# Altium PCB Iris.PcbDoc (part 7 of 13)
Units mm, origin at the board's own origin, x right, y up, seen from the top; angles counter-clockwise.
Board outline 100 x 72 mm, 6 copper layers (Top Layer, PowerPlane1, MidLayer1, MidLayer2, PowerPlane2, Bottom Layer), stack 1.561 mm thick; 396 components, 379 nets, 1616 pads, 658 vias.
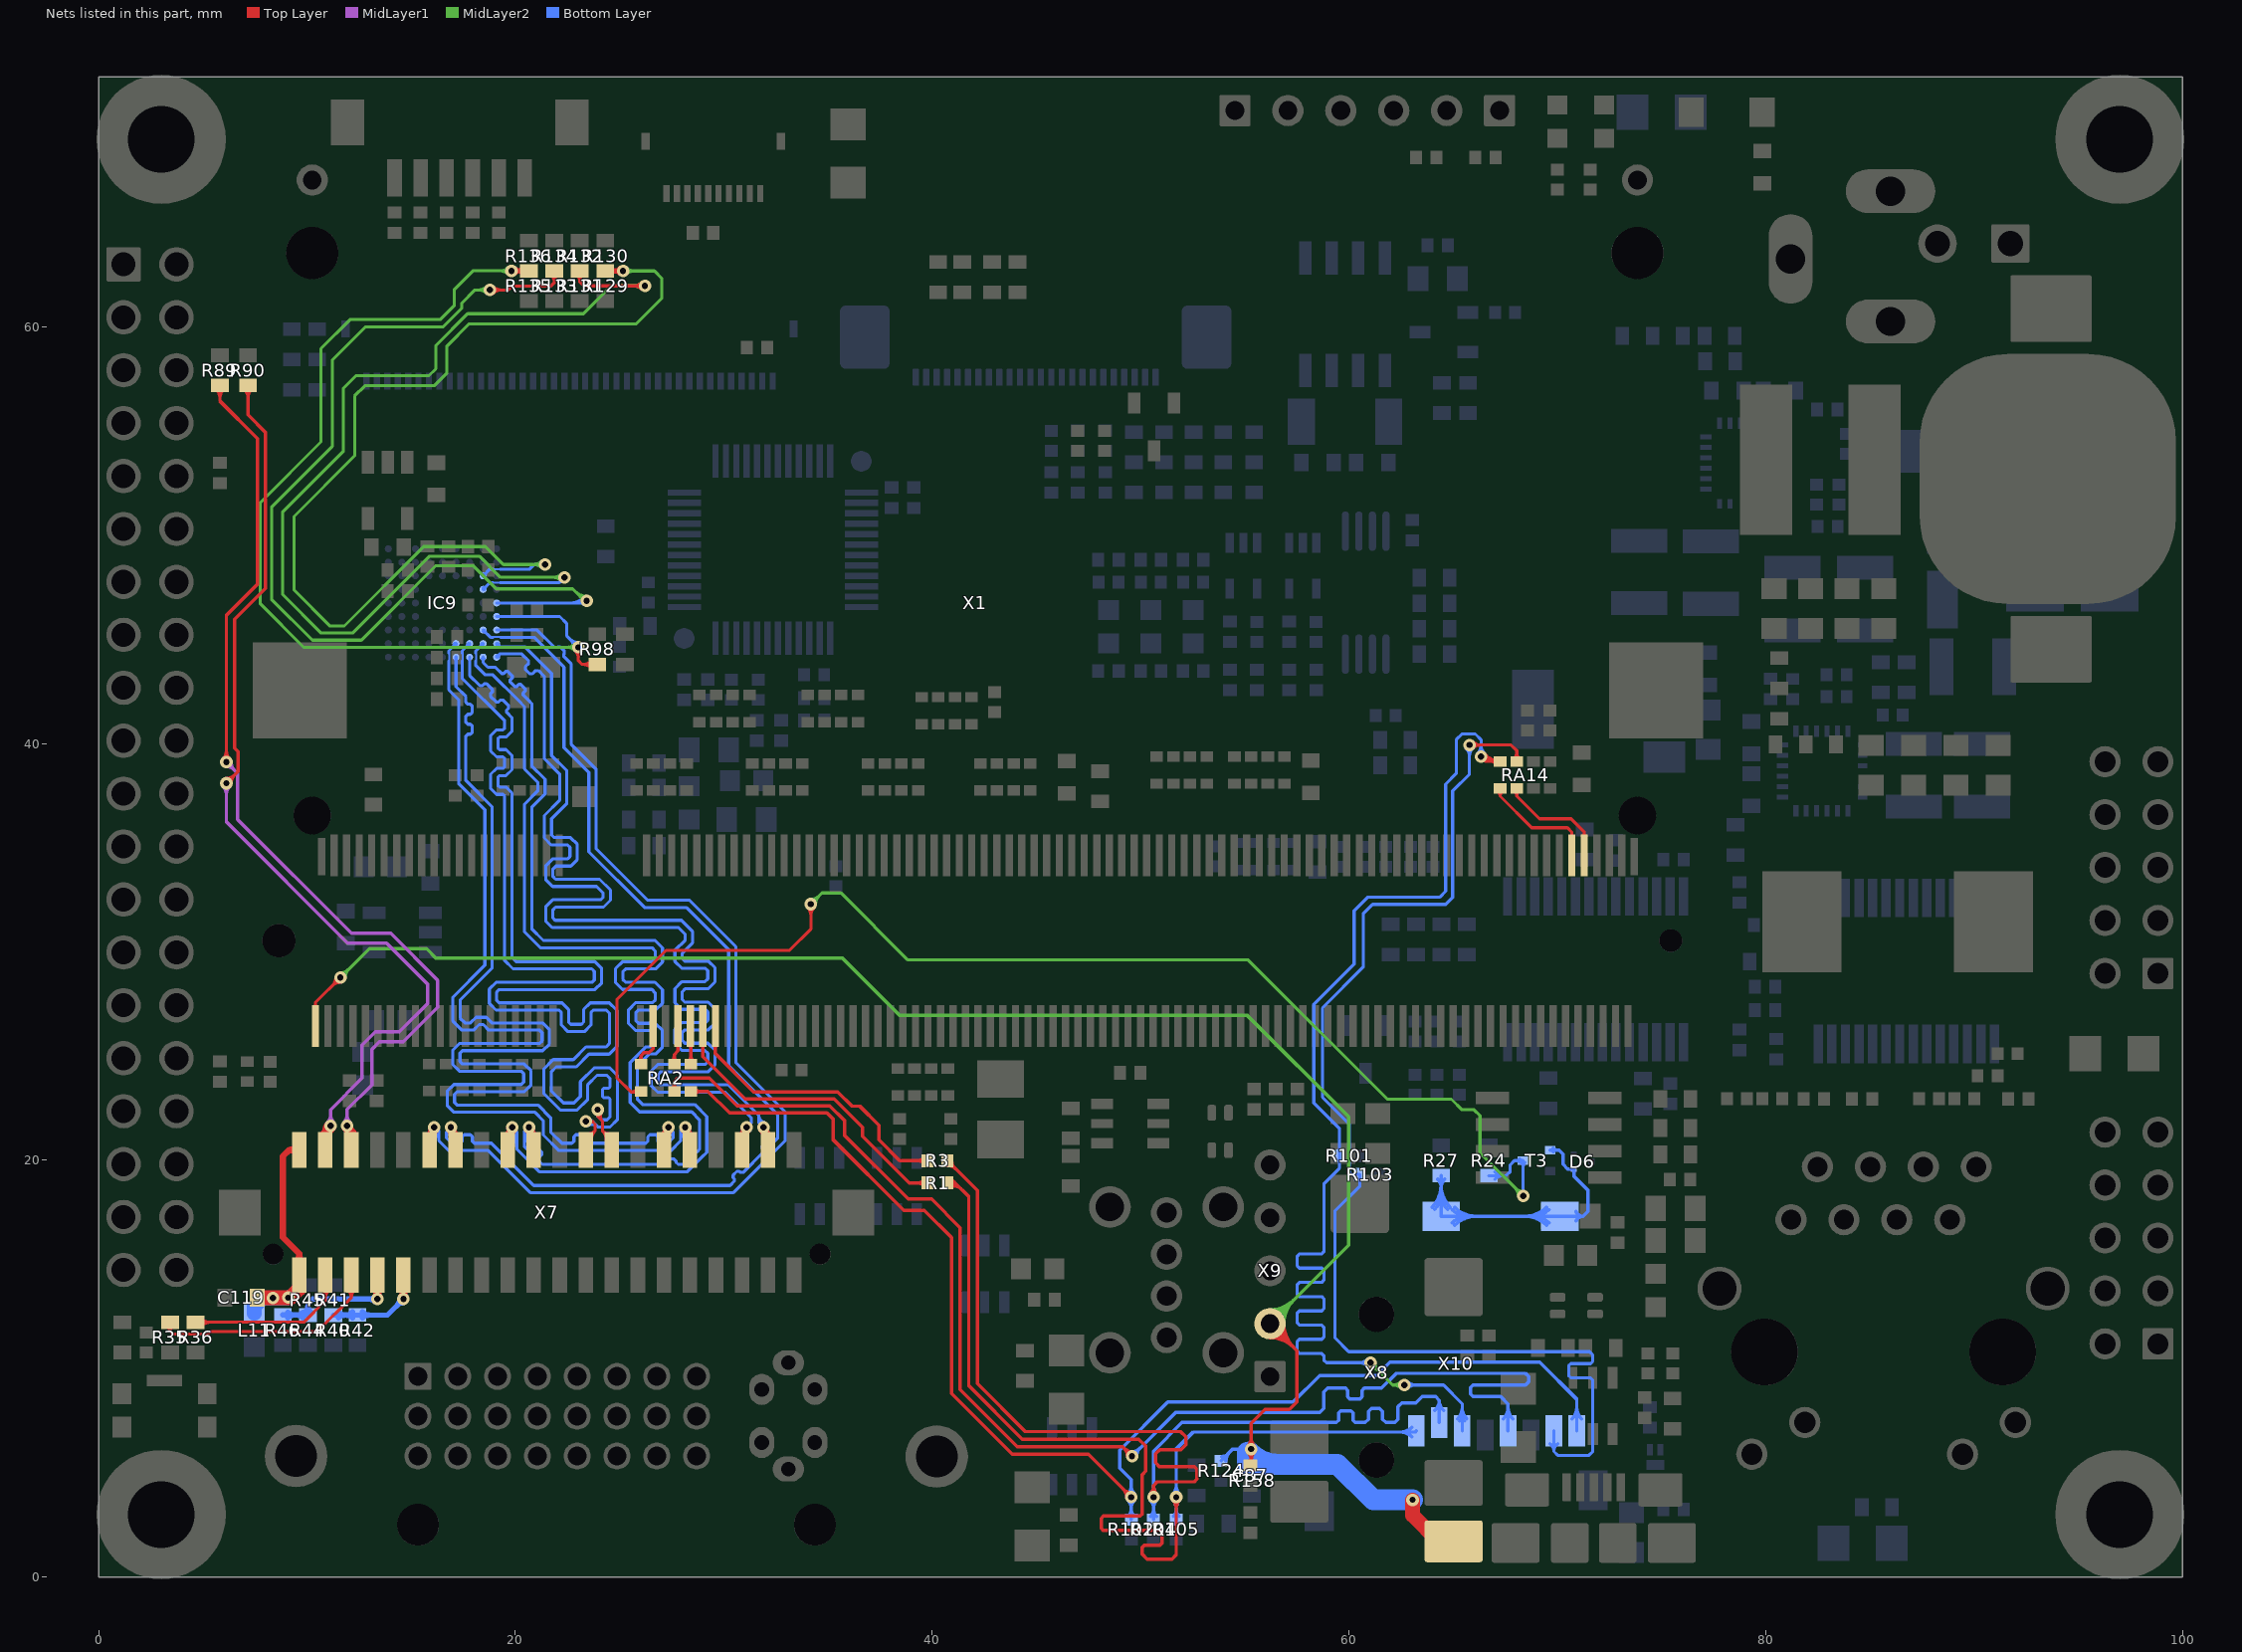
[diagram p11: the nets of this part, all layers, seen from the top]

## Via types
v1: diameter 0.6, hole 0.3, Top Layer to Bottom Layer, tented both sides, 651 vias
v2: diameter 0.55, hole 0.3, Top Layer to Bottom Layer, tented both sides, 7 vias

## Nets (pads, with @x,y where several pads share a name; then routed paths per layer and width w, separated by ;. In a path a pad name is that pad's centre, name@x,y a point inside that pad or via, vN(x,y) a via of type N, cw(c..) or ccw(c..) an arc to the next point about the centre after c; other vN are vias at no path point) (continued)
LVDS_B_CLK_N: IC9.B9 X7.4 | length 60.4
  Top Layer w0.15: v1@31.741,21.43 cw(c30.814,20.502) X7.4@32.125,20.5 ; v1@31.847,21.536 cw(c31.176,20.865) X7.4@32.125,20.865 ; v1@31.887,21.515 cw(c31.828,21.188) X7.4@32.149,21.274 ; v1@31.893,21.514 cw(c31.867,21.232) X7.4@32.141,21.306 ; v1@31.911,21.364 cw(c31.929,21.022) X7.4@32.225,21.193 ; X7.4@31.916,21.179 ccw(c31.686,21.375) v1(31.9,21.589) 32.125,21.364 ; v1@31.953,21.642 cw(c31.538,21.227) X7.4@32.125,21.227 ; v1@31.969,21.375 cw(c32.004,21.267) 32.102,21.323 cw(c32.245,21.406) v1@32.099,21.483 ; v1@31.981,21.379 cw(c32.031,21.247) X7.4@32.154,21.317 ; v1@31.997,21.386 cw(c32.045,21.284) 32.125,21.364 ; v1@32.015,21.474 cw(c31.81,21.269) X7.4@32.03,21.081 ; X7.4@32.05,21.265 ccw(c32.022,21.364) 32.125,21.364 ; v1@32.103,21.492 ccw(c32.205,21.443) 32.125,21.364 ; X7.4@32.125,20.5 32.125,21.364 ; 32.129,21.359 cw(c31.934,21.164) X7.4@32.144,20.984 ; X7.4@32.2,21.265 cw(c32.228,21.364) 32.125,21.364 ; v1@32.117,21.531 ccw(c32.365,21.464) 32.143,21.336 cw(c32.365,21.464) v1@32.117,21.531
  Bottom Layer w0.15: IC9.B9@19.1,44.73 cw(c19.1,44.561) 19.219,44.681 cw(c19.339,44.8) IC9.B9@19.17,44.8 ; IC9.B9@19.1,44.8 19.25,44.65 20.45,44.65 21.352,43.748 21.734,43.366 21.734,39.429 22.47,38.694 22.47,37.135 21.734,36.4 21.734,35.619 21.862,35.491 22.649,35.491 22.97,35.171 22.97,34.438 22.658,34.126 21.947,34.126 21.802,33.981 21.802,33.621 21.931,33.491 24.04,33.491 24.562,32.969 24.562,32.487 24.232,32.156 21.933,32.156 21.802,32.026 21.802,31.627 21.907,31.521 27.965,31.521 28.499,30.988 28.499,30.429 28.006,29.936 28.006,29.69 28.132,29.564 29.262,29.564 29.58,29.246 29.58,28.564 29.245,28.229 28.14,28.229 28.006,28.095 28.006,27.709 28.12,27.594 29.251,27.594 29.58,27.265 29.58,26.583 29.256,26.259 28.126,26.259 28.006,26.139 28.006,25.753 28.135,25.624 29.24,25.624 29.58,25.284 29.58,24.576 29.261,24.257 26.987,24.257 26.856,24.126 26.856,23.74 26.975,23.622 30.226,23.622 31.675,22.173 ; 31.675,21.978 ccw(c32.003,21.978) v1@31.919,21.661 ; v1(31.9,21.589) 31.675,21.814 31.675,22.173 ; v1@31.957,21.806 cw(c32.054,22.173) 31.675,22.173
LVDS_B_CLK_P: IC9.A9 X7.6 | length 59.4
  Top Layer w0.15: X7.6@30.775,21.193 cw(c31.071,21.022) v1@31.089,21.364 ; X7.6@30.8,21.265 ccw(c30.772,21.364) 30.875,21.364 ; X7.6@30.846,21.317 cw(c30.969,21.247) v1@31.019,21.379 ; X7.6@30.851,21.274 cw(c31.172,21.188) v1@31.113,21.515 ; X7.6@30.856,20.984 cw(c31.066,21.164) 30.871,21.359 ; X7.6@30.859,21.306 cw(c31.133,21.232) v1@31.107,21.514 ; X7.6@30.875,20.5 30.875,21.364 ; X7.6@30.875,20.5 cw(c32.186,20.502) v1@31.259,21.43 ; X7.6@30.875,20.865 cw(c31.824,20.865) v1@31.153,21.536 ; X7.6@30.875,21.227 cw(c31.462,21.227) v1@31.047,21.642 ; v1@30.897,21.492 cw(c30.795,21.443) 30.875,21.364 ; v1@30.901,21.483 cw(c30.755,21.406) 30.898,21.323 cw(c30.996,21.267) v1@31.031,21.375 ; X7.6@30.95,21.265 cw(c30.978,21.364) 30.875,21.364 ; X7.6@30.97,21.081 cw(c31.19,21.269) v1@30.985,21.474 ; v1@31.003,21.386 ccw(c30.955,21.284) 30.875,21.364 ; X7.6@31.084,21.179 cw(c31.314,21.375) v1(31.1,21.589) 30.875,21.364 ; X7.6@30.857,21.336 ccw(c30.635,21.464) 30.883,21.531 cw(c30.635,21.464) X7.6@30.857,21.336
  Bottom Layer w0.15: IC9.A9@19.1,44.15 19.25,44.3 20.305,44.3 20.63,43.976 20.63,43.84 20.481,43.691 20.481,43.555 20.685,43.352 20.82,43.352 20.969,43.5 21.105,43.5 21.384,43.221 21.384,39.284 22.12,38.549 22.12,37.28 21.384,36.545 21.384,35.474 21.717,35.141 22.504,35.141 22.62,35.026 22.62,34.583 22.513,34.476 21.802,34.476 21.452,34.126 21.452,33.476 21.786,33.141 23.895,33.141 24.212,32.824 24.212,32.632 24.087,32.506 21.788,32.506 21.452,32.171 21.452,31.482 21.762,31.171 27.82,31.171 28.149,30.843 28.149,30.574 27.656,30.081 27.656,29.545 27.987,29.214 29.117,29.214 29.23,29.101 29.23,28.709 29.1,28.579 27.995,28.579 27.656,28.24 27.656,27.564 27.975,27.244 29.106,27.244 29.23,27.12 29.23,26.728 29.111,26.609 27.981,26.609 27.656,26.284 27.656,25.608 27.99,25.274 29.095,25.274 29.23,25.139 29.23,24.721 29.116,24.607 26.842,24.607 26.506,24.271 26.506,23.595 26.83,23.272 30.081,23.272 31.325,22.028 31.325,21.814 v1(31.1,21.589) ; IC9.A9@19.1,44.22 ccw(c19.1,44.389) 19.219,44.269 ccw(c19.339,44.15) IC9.A9@19.17,44.15
LVDS_B_TX0_N: IC9.B6 X7.10 | length 60.9
  Top Layer w0.15: v1@27.991,21.43 cw(c27.064,20.502) X7.10@28.375,20.5 ; v1@28.097,21.536 cw(c27.426,20.865) X7.10@28.375,20.865 ; v1@28.137,21.515 cw(c28.078,21.188) X7.10@28.399,21.274 ; v1@28.143,21.514 cw(c28.117,21.232) X7.10@28.391,21.306 ; v1@28.161,21.364 cw(c28.179,21.022) X7.10@28.475,21.193 ; X7.10@28.166,21.179 ccw(c27.936,21.375) v1(28.15,21.589) 28.375,21.364 ; v1@28.203,21.642 cw(c27.788,21.227) X7.10@28.375,21.227 ; v1@28.219,21.375 cw(c28.254,21.267) 28.352,21.323 cw(c28.495,21.406) v1@28.349,21.483 ; v1@28.231,21.379 cw(c28.281,21.247) X7.10@28.404,21.317 ; v1@28.247,21.386 cw(c28.295,21.284) 28.375,21.364 ; v1@28.265,21.474 cw(c28.06,21.269) X7.10@28.28,21.081 ; X7.10@28.3,21.265 ccw(c28.272,21.364) 28.375,21.364 ; v1@28.353,21.492 ccw(c28.455,21.443) 28.375,21.364 ; X7.10@28.375,20.5 28.375,21.364 ; 28.379,21.359 cw(c28.184,21.164) X7.10@28.394,20.984 ; X7.10@28.45,21.265 cw(c28.478,21.364) 28.375,21.364 ; v1@28.367,21.531 ccw(c28.615,21.464) 28.393,21.336 cw(c28.615,21.464) v1@28.367,21.531
  Bottom Layer w0.105: 16.823,43.961 16.823,44.337
  Bottom Layer w0.15: 16.8,43.961 16.8,42.585 17.272,42.113 17.272,40.354 17.272,38.088 18.533,36.827 18.533,29.366 16.998,27.831 16.998,26.677 17.429,26.247 17.992,26.247 18.261,26.516 18.455,26.516 18.724,26.247 21.163,26.247 21.281,26.129 21.281,25.726 21.167,25.612 17.316,25.612 16.993,25.288 16.993,24.6 17.316,24.277 20.278,24.277 20.396,24.159 20.396,23.756 20.282,23.642 17.05,23.642 16.726,23.318 16.726,22.63 17.05,22.307 20.937,22.307 21.342,21.902 21.342,21.216 22.086,20.472 22.708,20.472 27.47,20.472 27.925,20.928 27.925,21.364 v1(28.15,21.589) ; 16.8,44.337 16.8,44.45 IC9.B6@17.15,44.8 ; IC9.B6@17.08,44.8 cw(c16.911,44.8) 17.031,44.681 cw(c17.15,44.561) IC9.B6@17.15,44.73 ; 27.925,20.941 cw(c28.467,20.941) v1@28.243,21.435 ; 27.925,21.123 cw(c28.361,21.123) v1@28.181,21.521 ; 27.925,21.356 cw(c28.256,21.356) v1@28.119,21.657
LVDS_B_TX0_P: IC9.A6 X7.12 | length 60.1
  Top Layer w0.15: X7.12@27.025,21.193 cw(c27.321,21.022) v1@27.339,21.364 ; X7.12@27.05,21.265 ccw(c27.022,21.364) 27.125,21.364 ; X7.12@27.096,21.317 cw(c27.219,21.247) v1@27.269,21.379 ; X7.12@27.101,21.274 cw(c27.422,21.188) v1@27.363,21.515 ; X7.12@27.106,20.984 cw(c27.316,21.164) 27.121,21.359 ; X7.12@27.109,21.306 cw(c27.383,21.232) v1@27.357,21.514 ; X7.12@27.125,20.5 27.125,21.364 ; X7.12@27.125,20.5 cw(c28.436,20.502) v1@27.509,21.43 ; X7.12@27.125,20.865 cw(c28.074,20.865) v1@27.403,21.536 ; X7.12@27.125,21.227 cw(c27.712,21.227) v1@27.297,21.642 ; v1@27.147,21.492 cw(c27.045,21.443) 27.125,21.364 ; v1@27.151,21.483 cw(c27.005,21.406) 27.148,21.323 cw(c27.246,21.267) v1@27.281,21.375 ; X7.12@27.2,21.265 cw(c27.228,21.364) 27.125,21.364 ; X7.12@27.22,21.081 cw(c27.44,21.269) v1@27.235,21.474 ; v1@27.253,21.386 ccw(c27.205,21.284) 27.125,21.364 ; X7.12@27.334,21.179 cw(c27.564,21.375) v1(27.35,21.589) 27.125,21.364 ; X7.12@27.107,21.336 ccw(c26.885,21.464) 27.133,21.531 cw(c26.885,21.464) X7.12@27.107,21.336
  Bottom Layer w0.15: IC9.A6@17.15,44.15 17.15,42.73 17.622,42.258 17.622,41.986 17.718,41.89 17.837,41.89 17.933,41.794 17.933,41.506 17.837,41.41 17.718,41.41 17.622,41.314 17.622,41.026 17.718,40.93 17.837,40.93 17.933,40.834 17.933,40.546 17.837,40.45 17.718,40.45 17.622,40.354 17.622,38.233 18.883,36.972 18.883,29.221 17.348,27.686 17.348,26.822 17.574,26.597 17.847,26.597 18.116,26.866 18.6,26.866 18.869,26.597 21.308,26.597 21.631,26.274 21.631,25.581 21.312,25.262 17.461,25.262 17.343,25.143 17.343,24.745 17.461,24.627 20.423,24.627 20.746,24.304 20.746,23.611 20.427,23.292 17.195,23.292 17.076,23.173 17.076,22.775 17.195,22.657 21.082,22.657 21.692,22.047 21.692,21.361 22.231,20.822 22.708,20.822 22.806,20.92 22.806,21.129 22.904,21.227 23.198,21.227 23.296,21.129 23.296,20.92 23.394,20.822 26.258,20.822 26.356,20.92 26.356,21.129 26.454,21.227 26.748,21.227 26.846,21.129 26.846,20.92 26.944,20.822 27.325,20.822 27.575,21.073 27.575,21.364 v1(27.35,21.589) ; v1@27.3,21.42 cw(c27.223,21.077) 27.575,21.077 ; v1@27.333,21.516 cw(c27.265,21.213) 27.575,21.213
LVDS_B_TX1_N: IC9.B7 X7.16 | length 56.4
  Top Layer w0.15: v1@23.871,22.223 cw(c23.833,22.117) 23.946,22.117 ; v1(23.946,22.435) 23.946,22.117 ; v1@24.008,22.394 ccw(c24.257,22.228) 24.046,22.017 ; v1@24.021,22.223 ccw(c24.058,22.117) 23.946,22.117 ; v1@24.133,22.31 ccw(c24.412,22.125) 24.175,21.888 ; 24.182,21.405 cw(c23.778,21) X7.16@24.35,21 ; X7.16@24.588,21.273 cw(c24.522,21.759) 24.175,21.412 ; X7.16@24.625,20.5 24.625,20.962 24.175,21.412 ; 23.946,22.117 24.175,21.888 ; 24.175,21.412 24.175,21.888
  Bottom Layer w0.105: 17.473,43.961 17.473,44.337
  Bottom Layer w0.15: 17.45,43.961 17.45,43.129 19.483,41.096 19.483,40.74 19.406,40.663 19.093,40.663 18.81,40.38 18.81,39.645 19.093,39.362 19.406,39.362 19.483,39.285 19.483,38.89 19.406,38.812 19.093,38.812 18.81,38.53 18.81,37.845 19.093,37.562 19.406,37.562 19.483,37.485 19.483,29.589 19.883,29.19 23.662,29.19 23.787,29.065 23.787,28.658 23.673,28.544 19.072,28.544 18.748,28.221 18.748,27.532 19.072,27.209 22.093,27.209 22.204,27.098 22.204,26.494 22.521,26.177 23.307,26.177 23.624,26.494 23.624,27.098 23.735,27.209 24.366,27.209 24.511,27.064 24.511,25.603 24.353,25.445 23.388,25.445 22.778,24.836 21.813,24.836 21.367,24.39 21.367,23.198 22.156,22.408 22.954,22.408 23.47,22.924 23.47,23.635 23.919,24.085 24.391,24.085 24.542,23.934 24.542,23.526 24.475,23.459 24.24,23.459 24.173,23.391 24.173,23.076 24.24,23.009 24.475,23.009 24.542,22.941 24.542,22.091 24.397,21.946 24.117,21.946 ; 17.45,44.337 17.45,44.45 IC9.B7@17.8,44.8 ; IC9.B7@17.73,44.8 cw(c17.561,44.8) 17.681,44.681 cw(c17.8,44.561) IC9.B7@17.8,44.73 ; v1@23.871,22.223 cw(c23.833,22.117) 23.946,22.117 ; v1(23.946,22.435) 23.946,22.117 ; v1@24.001,22.384 ccw(c24.174,22.223) 24.007,22.056 ; v1@24.021,22.223 ccw(c24.058,22.117) 23.946,22.117 ; v1@24.111,22.282 ccw(c24.288,22.117) 24.117,21.946 ; 23.946,22.117 24.117,21.946
LVDS_B_TX1_P: IC9.A7 X7.18 | length 55.9
  Top Layer w0.15: X7.18@23.375,20.5 23.375,20.962 23.825,21.412 ; v1(23.38,21.869) 23.698,21.869 ; X7.18@23.412,21.273 ccw(c23.478,21.759) 23.825,21.412 ; v1@23.592,21.794 cw(c23.698,21.757) 23.698,21.869 ; v1@23.592,21.944 ccw(c23.698,21.982) 23.698,21.869 ; X7.18@23.65,21 cw(c24.222,21) 23.818,21.405 ; 23.698,21.869 23.825,21.743 23.825,21.412
  Bottom Layer w0.15: IC9.A7@17.8,44.15 17.8,43.274 18.297,42.777 18.414,42.777 18.506,42.869 18.623,42.869 18.895,42.597 18.895,42.48 18.803,42.388 18.803,42.272 19.075,41.999 19.192,41.999 19.284,42.092 19.401,42.092 19.673,41.819 19.673,41.703 19.581,41.61 19.581,41.494 19.833,41.241 19.833,40.596 19.551,40.313 19.238,40.313 19.16,40.236 19.16,39.79 19.238,39.712 19.551,39.712 19.833,39.43 19.833,38.745 19.551,38.462 19.238,38.462 19.16,38.385 19.16,37.99 19.238,37.912 19.551,37.912 19.833,37.63 19.833,29.734 20.028,29.54 23.807,29.54 24.137,29.21 24.137,28.513 23.818,28.194 19.217,28.194 19.098,28.076 19.098,27.677 19.217,27.559 22.237,27.559 22.554,27.242 22.554,26.639 22.665,26.527 23.163,26.527 23.274,26.639 23.274,27.242 23.591,27.559 24.511,27.559 24.861,27.209 24.861,25.458 24.498,25.095 23.533,25.095 22.923,24.486 21.958,24.486 21.717,24.245 21.717,23.343 22.301,22.758 22.809,22.758 23.12,23.069 23.12,23.78 23.774,24.435 24.536,24.435 24.892,24.079 24.892,23.399 24.892,21.946 24.542,21.596 23.972,21.596 ; v1@23.345,21.936 cw(c23.479,21.68) 23.683,21.884 ; v1(23.38,21.869) 23.698,21.869 ; v1@23.415,21.803 cw(c23.578,21.491) 23.828,21.74 ; v1@23.484,21.67 cw(c23.678,21.301) 23.972,21.596 ; v1@23.592,21.794 cw(c23.698,21.757) 23.698,21.869 ; v1@23.592,21.944 ccw(c23.698,21.982) 23.698,21.869 ; 23.698,21.869 23.972,21.596
LVDS_B_TX2_N: IC9.B8 X7.22 | length 61.4
  Top Layer w0.15: v1@20.491,21.43 cw(c19.564,20.502) X7.22@20.875,20.5 ; v1@20.597,21.536 cw(c19.926,20.865) X7.22@20.875,20.865 ; v1@20.637,21.515 cw(c20.578,21.188) X7.22@20.899,21.274 ; v1@20.643,21.514 cw(c20.617,21.232) X7.22@20.891,21.306 ; v1@20.661,21.364 cw(c20.679,21.022) X7.22@20.975,21.193 ; X7.22@20.666,21.179 ccw(c20.436,21.375) v1(20.65,21.589) 20.875,21.364 ; v1@20.703,21.642 cw(c20.288,21.227) X7.22@20.875,21.227 ; v1@20.719,21.375 cw(c20.754,21.267) 20.852,21.323 cw(c20.995,21.406) v1@20.849,21.483 ; v1@20.731,21.379 cw(c20.781,21.247) X7.22@20.904,21.317 ; v1@20.747,21.386 cw(c20.795,21.284) 20.875,21.364 ; v1@20.765,21.474 cw(c20.56,21.269) X7.22@20.78,21.081 ; X7.22@20.8,21.265 ccw(c20.772,21.364) 20.875,21.364 ; v1@20.853,21.492 ccw(c20.955,21.443) 20.875,21.364 ; X7.22@20.875,20.5 20.875,21.364 ; 20.879,21.359 cw(c20.684,21.164) X7.22@20.894,20.984 ; X7.22@20.95,21.265 cw(c20.978,21.364) 20.875,21.364 ; v1@20.867,21.531 ccw(c21.115,21.464) 20.893,21.336 cw(c21.115,21.464) v1@20.867,21.531
  Bottom Layer w0.105: 18.123,43.961 18.123,44.337
  Bottom Layer w0.15: 18.1,43.961 18.1,43.749 18.537,43.313 18.898,43.313 20.125,42.085 20.434,41.777 20.434,38.786 21.074,38.147 21.074,37.723 20.434,37.083 20.434,30.963 21.197,30.201 26.556,30.201 26.707,30.049 26.707,29.666 26.577,29.536 25.142,29.536 24.802,29.197 24.802,28.538 25.139,28.201 26.549,28.201 26.707,28.043 26.707,27.685 26.588,27.566 25.762,27.566 25.427,27.231 25.427,26.567 25.763,26.231 26.563,26.231 26.701,26.093 26.701,25.57 26.581,25.451 26.264,25.451 25.507,24.694 25.507,22.778 25.959,22.327 28.461,22.327 28.835,21.953 28.835,20.527 28.725,20.417 28.586,20.417 28.541,20.462 28.403,20.462 28.195,20.254 28.195,20.116 28.24,20.071 28.24,19.932 28.115,19.807 27.808,19.807 27.71,19.905 27.71,19.969 27.612,20.067 27.318,20.067 27.22,19.969 27.22,19.905 27.122,19.807 21.29,19.807 21.114,19.983 21.114,20.122 21.262,20.269 21.262,20.408 21.054,20.616 20.915,20.616 20.768,20.468 20.629,20.468 20.425,20.672 20.425,21.364 v1(20.65,21.589) ; 18.1,44.337 18.1,44.45 IC9.B8@18.45,44.8 ; IC9.B8@18.38,44.8 cw(c18.211,44.8) 18.33,44.681 cw(c18.45,44.561) IC9.B8@18.45,44.73 ; 20.425,20.696 cw(c21.415,20.696) v1@20.792,21.465 ; 20.425,20.96 cw(c21.16,20.96) v1@20.697,21.531 ; 20.425,21.274 cw(c20.905,21.274) v1@20.603,21.647
LVDS_B_TX2_P: IC9.A8 X7.24 | length 61.7
  Top Layer w0.15: X7.24@19.525,21.193 cw(c19.821,21.022) v1@19.839,21.364 ; X7.24@19.55,21.265 ccw(c19.522,21.364) 19.625,21.364 ; X7.24@19.596,21.317 cw(c19.719,21.247) v1@19.769,21.379 ; X7.24@19.601,21.274 cw(c19.922,21.188) v1@19.863,21.515 ; X7.24@19.606,20.984 cw(c19.816,21.164) 19.621,21.359 ; X7.24@19.609,21.306 cw(c19.883,21.232) v1@19.857,21.514 ; X7.24@19.625,20.5 19.625,21.364 ; X7.24@19.625,20.5 cw(c20.936,20.502) v1@20.009,21.43 ; X7.24@19.625,20.865 cw(c20.574,20.865) v1@19.903,21.536 ; X7.24@19.625,21.227 cw(c20.212,21.227) v1@19.797,21.642 ; v1@19.647,21.492 cw(c19.545,21.443) 19.625,21.364 ; v1@19.651,21.483 cw(c19.505,21.406) 19.648,21.323 cw(c19.746,21.267) v1@19.781,21.375 ; X7.24@19.7,21.265 cw(c19.728,21.364) 19.625,21.364 ; X7.24@19.72,21.081 cw(c19.94,21.269) v1@19.735,21.474 ; v1@19.753,21.386 ccw(c19.705,21.284) 19.625,21.364 ; X7.24@19.834,21.179 cw(c20.064,21.375) v1(19.85,21.589) 19.625,21.364 ; X7.24@19.607,21.336 ccw(c19.385,21.464) 19.633,21.531 cw(c19.385,21.464) X7.24@19.607,21.336
  Bottom Layer w0.15: IC9.A8@18.4,44.101 cw(c18.281,43.981) 18.45,43.981 cw(c18.619,43.981) IC9.A8@18.499,44.101 ; IC9.A8@18.45,44.15 18.45,43.894 18.682,43.663 19.043,43.663 19.342,43.364 19.435,43.364 19.537,43.466 19.631,43.466 19.849,43.247 19.849,43.153 19.748,43.052 19.748,42.958 19.966,42.739 20.06,42.739 20.162,42.841 20.256,42.841 20.474,42.622 20.474,42.528 20.373,42.427 20.373,42.333 20.634,42.072 20.784,41.922 20.784,38.931 21.424,38.292 21.424,37.578 20.784,36.938 20.784,31.108 21.342,30.551 26.701,30.551 27.057,30.194 27.057,29.521 26.722,29.186 25.287,29.186 25.152,29.052 25.152,28.683 25.284,28.551 26.694,28.551 27.057,28.188 27.057,27.54 26.733,27.216 25.907,27.216 25.777,27.086 25.777,26.712 25.908,26.581 26.708,26.581 27.051,26.238 27.051,25.425 26.726,25.101 26.409,25.101 25.857,24.549 25.857,22.923 26.104,22.677 28.606,22.677 29.185,22.098 29.185,20.382 28.973,20.17 28.26,19.457 21.145,19.457 20.075,20.527 20.075,21.364 v1(19.85,21.589) ; v1@19.691,21.48 cw(c18.767,20.554) 20.075,20.554 ; v1@19.797,21.536 cw(c19.128,20.865) 20.075,20.865 ; v1@19.903,21.642 cw(c19.489,21.227) 20.075,21.227
LVDS_B_TX3_N: IC9.C8 X7.28 | length 60.3
  Top Layer w0.15: v1@16.741,21.43 cw(c15.814,20.502) X7.28@17.125,20.5 ; v1@16.847,21.536 cw(c16.176,20.865) X7.28@17.125,20.865 ; v1@16.887,21.515 cw(c16.828,21.188) X7.28@17.149,21.274 ; v1@16.893,21.514 cw(c16.867,21.232) X7.28@17.141,21.306 ; v1@16.911,21.364 cw(c16.929,21.022) X7.28@17.225,21.193 ; X7.28@16.916,21.179 ccw(c16.686,21.375) v1(16.9,21.589) 17.125,21.364 ; v1@16.953,21.642 cw(c16.538,21.227) X7.28@17.125,21.227 ; v1@16.969,21.375 cw(c17.004,21.267) 17.102,21.323 cw(c17.245,21.406) v1@17.099,21.483 ; v1@16.981,21.379 cw(c17.031,21.247) X7.28@17.154,21.317 ; v1@16.997,21.386 cw(c17.045,21.284) 17.125,21.364 ; v1@17.015,21.474 cw(c16.81,21.269) X7.28@17.03,21.081 ; X7.28@17.05,21.265 ccw(c17.022,21.364) 17.125,21.364 ; v1@17.103,21.492 ccw(c17.205,21.443) 17.125,21.364 ; X7.28@17.125,20.5 17.125,21.364 ; 17.129,21.359 cw(c16.934,21.164) X7.28@17.144,20.984 ; X7.28@17.2,21.265 cw(c17.228,21.364) 17.125,21.364 ; v1@17.117,21.531 ccw(c17.365,21.464) 17.143,21.336 cw(c17.365,21.464) v1@17.117,21.531
  Bottom Layer w0.105: 18.913,45.123 19.289,45.123
  Bottom Layer w0.15: 16.675,21.097 cw(c17.002,21.097) v1@16.942,21.418 ; 16.675,21.227 cw(c16.968,21.227) v1@16.914,21.515 ; 16.675,21.364 16.675,21.095 16.947,20.822 17.346,20.822 17.444,20.92 17.444,21.129 17.542,21.227 17.836,21.227 17.934,21.129 17.934,20.92 18.032,20.822 18.852,20.822 20.883,18.792 30.298,18.792 30.502,18.995 30.502,19.117 30.45,19.169 30.45,19.291 30.632,19.473 30.754,19.473 30.806,19.421 30.927,19.421 31.909,20.402 31.909,20.524 31.856,20.576 31.856,20.698 32.039,20.88 32.16,20.88 32.213,20.828 32.334,20.828 32.594,21.088 32.594,22.182 30.232,24.544 30.232,30.106 28.201,32.137 26.195,32.137 23.526,34.805 23.526,38.615 22.332,39.809 22.332,43.67 20.902,45.1 19.289,45.1 ; IC9.C8@18.45,45.38 cw(c18.45,45.211) 18.569,45.331 cw(c18.689,45.45) IC9.C8@18.52,45.45 ; IC9.C8@18.45,45.45 18.8,45.1 18.913,45.1
LVDS_B_TX3_P: IC9.C9 X7.30 | length 60.6
  Top Layer w0.15: X7.30@15.775,21.193 cw(c16.071,21.022) v1@16.089,21.364 ; X7.30@15.8,21.265 ccw(c15.772,21.364) 15.875,21.364 ; X7.30@15.846,21.317 cw(c15.969,21.247) v1@16.019,21.379 ; X7.30@15.851,21.274 cw(c16.172,21.188) v1@16.113,21.515 ; X7.30@15.856,20.984 cw(c16.066,21.164) 15.871,21.359 ; X7.30@15.859,21.306 cw(c16.133,21.232) v1@16.107,21.514 ; X7.30@15.875,20.5 15.875,21.364 ; X7.30@15.875,20.5 cw(c17.186,20.502) v1@16.259,21.43 ; X7.30@15.875,20.865 cw(c16.824,20.865) v1@16.153,21.536 ; X7.30@15.875,21.227 cw(c16.462,21.227) v1@16.047,21.642 ; v1@15.897,21.492 cw(c15.795,21.443) 15.875,21.364 ; v1@15.901,21.483 cw(c15.755,21.406) 15.898,21.323 cw(c15.996,21.267) v1@16.031,21.375 ; X7.30@15.95,21.265 cw(c15.978,21.364) 15.875,21.364 ; X7.30@15.97,21.081 cw(c16.19,21.269) v1@15.985,21.474 ; v1@16.003,21.386 ccw(c15.955,21.284) 15.875,21.364 ; X7.30@16.084,21.179 cw(c16.314,21.375) v1(16.1,21.589) 15.875,21.364 ; X7.30@15.857,21.336 ccw(c15.635,21.464) 15.883,21.531 cw(c15.635,21.464) X7.30@15.857,21.336